# KiCad board ProgrammierStation.kicad_pcb
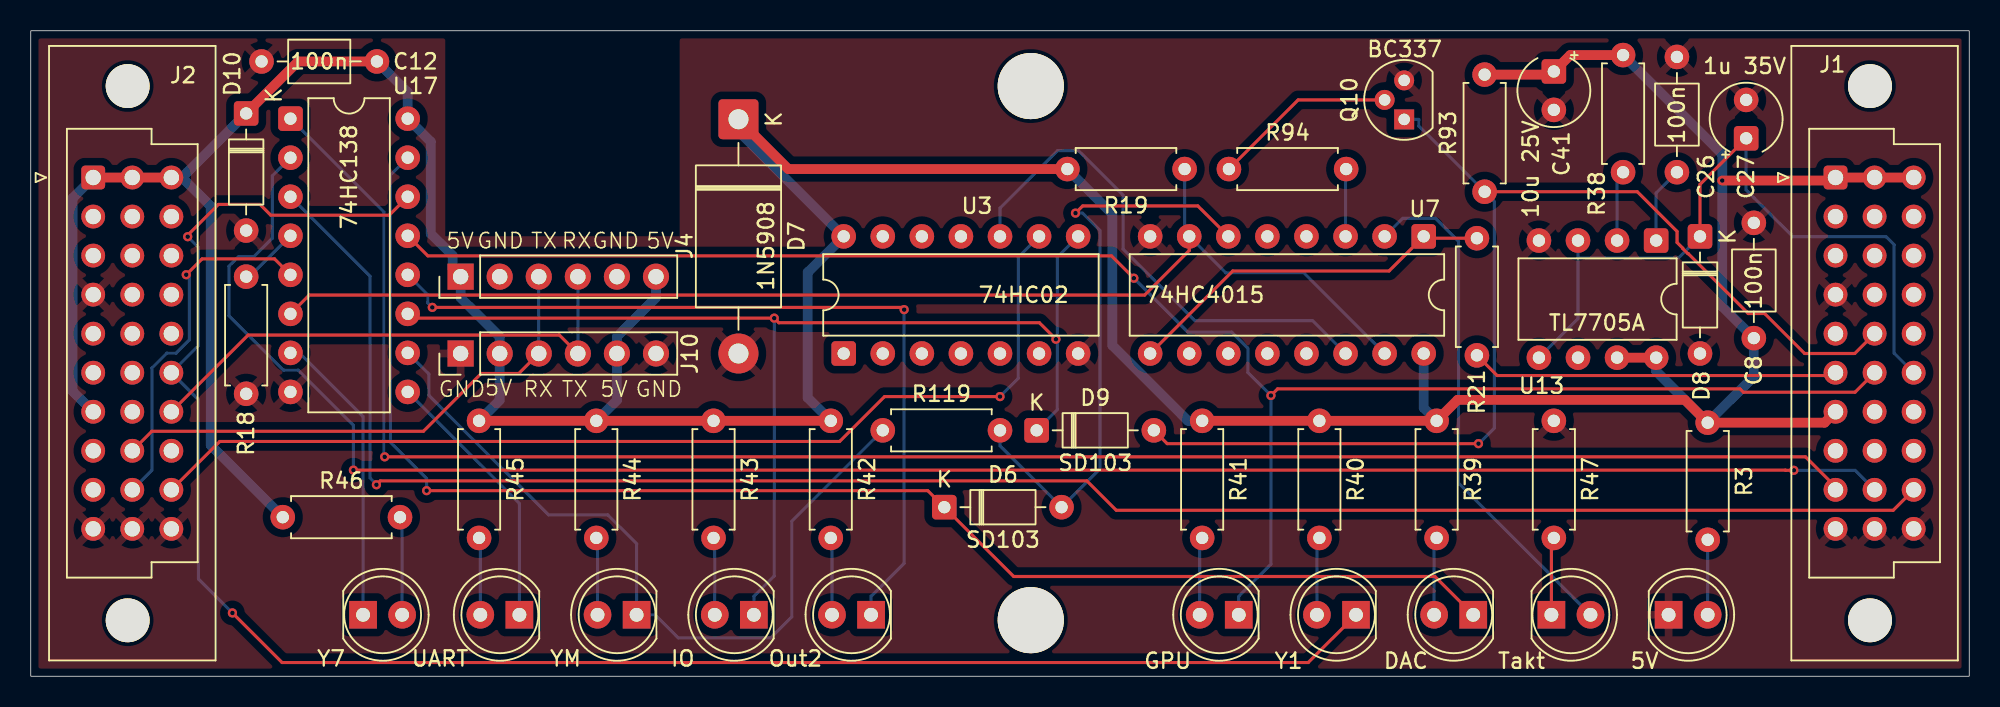
[diagram p0: board, top side]
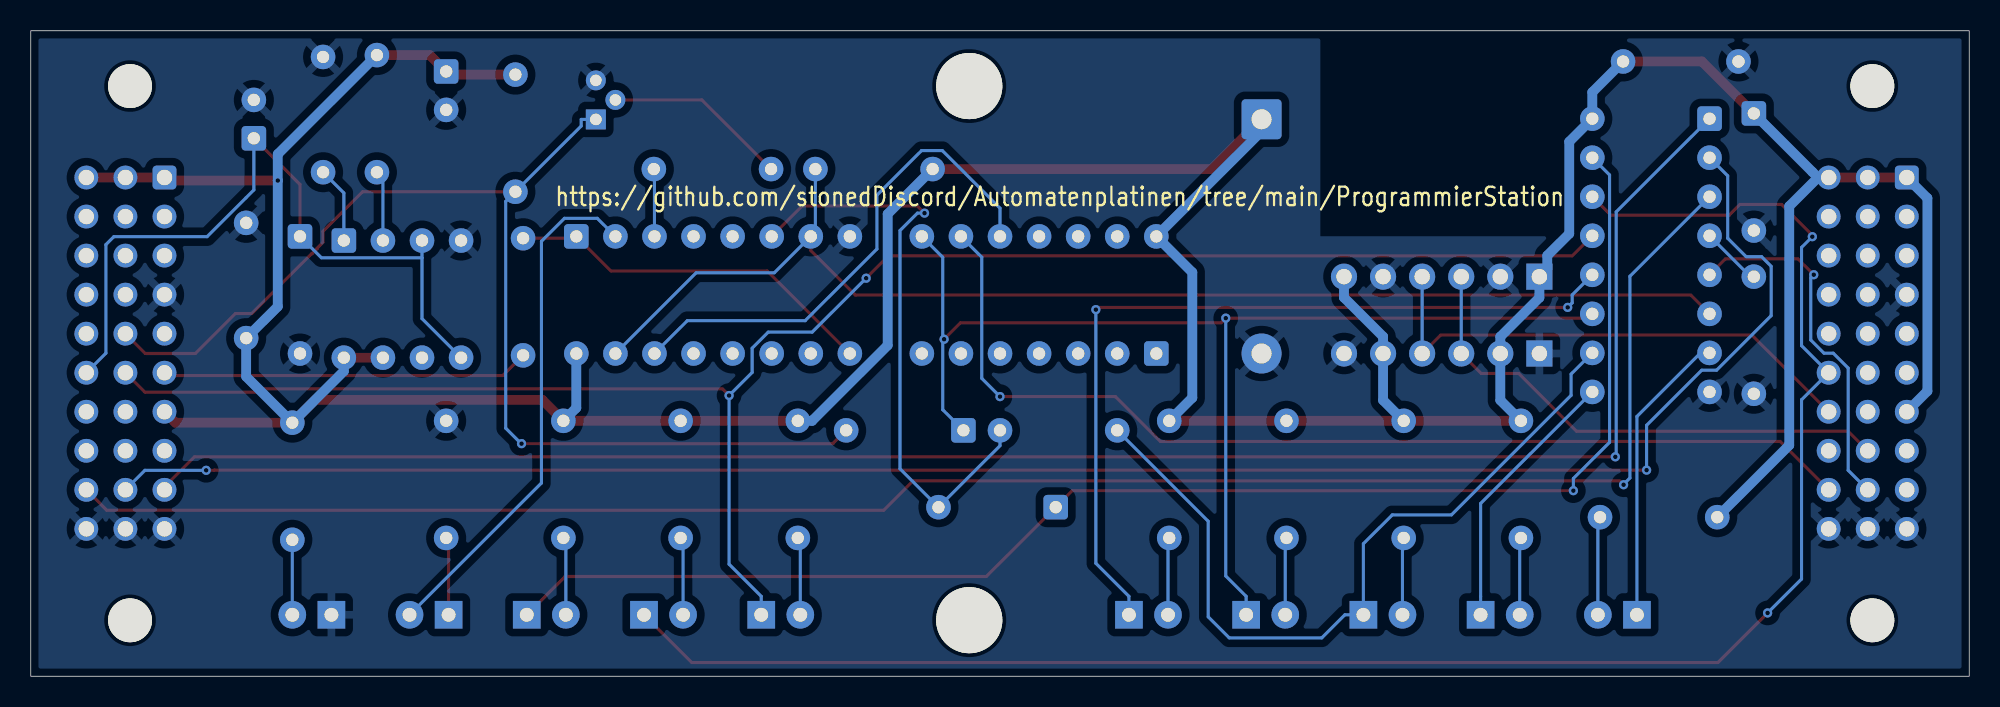
[diagram p1: board, bottom side, seen from below]

Outline 126 x 42 mm; copper layers: Top, Bottom. Coordinates in mm from the lower left corner of the outline.
Outline path: rectangle 0,42 126,0
Stack: Top 0.035mm / dielectric 1.51mm FR4 er 4.5 / Bottom 0.035mm

## Placement (name value [footprint] x y rotation side)
C8  100n  [C_Axial_L3.8mm_D2.6mm_P7.50mm_Horizontal]  112 22 90 top
C12  100n  [C_Axial_L3.8mm_D2.6mm_P7.50mm_Horizontal]  22.5 40 180 top
C26  100n  [C_Axial_L3.8mm_D2.6mm_P7.50mm_Horizontal]  107 32.8 90 top
C27  1u 35V  [CP_Radial_Tantal_D4.5mm_P2.50mm]  111.5 35 90 top
C41  10u 25V  [CP_Radial_Tantal_D4.5mm_P2.50mm]  99 39.35 270 top
D1  UART  [LED_D5.0mm]  31.76 4 180 top
D2  Takt  [LED_D5.0mm]  98.84 4 0 top
D3  5V  [LED_D5.0mm]  106.46 4 0 top
D4  DAC  [LED_D5.0mm]  93.76 4 180 top
D5  Y1  [LED_D5.0mm]  86.14 4 180 top
D6  SD103  [D_DO-35_SOD27_P7.62mm_Horizontal]  59.38 11 0 top  (not fitted)
D7  1N5908  [D_DO-201AE_P15.24mm_Horizontal]  46 36.24 270 top
D8  SD103  [D_DO-35_SOD27_P7.62mm_Horizontal]  108.5 28.62 270 top
D9  SD103  [D_DO-35_SOD27_P7.62mm_Horizontal]  65.38 16 0 top
D10  SD103  [D_DO-35_SOD27_P7.62mm_Horizontal]  14 36.62 270 top
D11  GPU  [LED_D5.0mm]  78.52 4 180 top
D12  Out2  [LED_D5.0mm]  54.62 4 180 top
D13  IO  [LED_D5.0mm]  47 4 180 top
D14  YM  [LED_D5.0mm]  39.38 4 180 top
D15  Y7  [LED_D5.0mm]  21.6 4 0 top
H2  MountingHole  [MountingHole_4.3mm_M4]  65 38.4 180 bottom
H5  MountingHole  [MountingHole_4.3mm_M4]  65 3.65 180 bottom
J1  DIN41612_03x10_ABC  [DIN41612_C3_3x10_Female_Vertical_THT]  117.31 32.45 0 top
J2  DIN41612_03x10_ABC  [DIN41612_C3_3x10_Female_Vertical_THT]  4.06 32.45 0 top
J4  Conn_01x06  [PinHeader_1x06_P2.54mm_Vertical]  27.94 26 90 top
J10  Conn_01x06  [PinHeader_1x06_P2.54mm_Vertical]  27.94 21 90 top
Q10  BC337  [TO-92]  89.27 36.23 90 top
R3  220  [R_Axial_DIN0207_L6.3mm_D2.5mm_P7.62mm_Horizontal]  109 16.5 270 top
R18  100  [R_Axial_DIN0207_L6.3mm_D2.5mm_P7.62mm_Horizontal]  14 26 270 top
R19  100  [R_Axial_DIN0207_L6.3mm_D2.5mm_P7.62mm_Horizontal]  75 33 180 top
R21  47  [R_Axial_DIN0207_L6.3mm_D2.5mm_P7.62mm_Horizontal]  94 28.5 270 top
R38  100  [R_Axial_DIN0207_L6.3mm_D2.5mm_P7.62mm_Horizontal]  103.5 32.8 90 top
R39  470  [R_Axial_DIN0207_L6.3mm_D2.5mm_P7.62mm_Horizontal]  91.38 16.62 270 top
R40  470  [R_Axial_DIN0207_L6.3mm_D2.5mm_P7.62mm_Horizontal]  83.76 16.62 270 top
R41  470  [R_Axial_DIN0207_L6.3mm_D2.5mm_P7.62mm_Horizontal]  76.14 16.62 270 top
R42  470  [R_Axial_DIN0207_L6.3mm_D2.5mm_P7.62mm_Horizontal]  52 16.62 270 top
R43  470  [R_Axial_DIN0207_L6.3mm_D2.5mm_P7.62mm_Horizontal]  44.38 16.62 270 top
R44  470  [R_Axial_DIN0207_L6.3mm_D2.5mm_P7.62mm_Horizontal]  36.76 16.62 270 top
R45  470  [R_Axial_DIN0207_L6.3mm_D2.5mm_P7.62mm_Horizontal]  29.14 16.62 270 top
R46  470  [R_Axial_DIN0207_L6.3mm_D2.5mm_P7.62mm_Horizontal]  16.38 10.35 0 top
R47  470  [R_Axial_DIN0207_L6.3mm_D2.5mm_P7.62mm_Horizontal]  99 16.62 270 top
R93  1k  [R_Axial_DIN0207_L6.3mm_D2.5mm_P7.62mm_Horizontal]  94.5 31.53 90 top
R94  100  [R_Axial_DIN0207_L6.3mm_D2.5mm_P7.62mm_Horizontal]  77.88 33 0 top
R119  1k  [R_Axial_DIN0207_L6.3mm_D2.5mm_P7.62mm_Horizontal]  55.38 16 0 top
U3  74HC02  [DIP-14_W7.62mm]  52.84 21 90 top
U7  74HC4015  [DIP-16_W7.62mm]  90.54 28.62 270 top
U13  TL7705A  [DIP-8_W7.62mm]  105.65 28.35 270 top
U17  74HC138  [DIP-16_W7.62mm]  16.88 36.28 0 top

## Library data of the parts
C8 C12 C26 = -: Description: Unpolarized capacitor; KiLib_Generator: capacitor/THT/other; ki_fp_filters: C_*
C27 C41 = -: Description: Polarized capacitor; KiLib_Generator: capacitor/THT/other; ki_fp_filters: CP_*
D1-D5 D11-D15 = -: Description: Light emitting diode; KiLib_Generator: LED/THT; Sim.Pins: 1=K 2=A; ki_fp_filters: LED* LED_SMD:* LED_THT:*
D6 D8-D10 = -: Description: Schottky diode; KiLib_Generator: diode/THT; ki_fp_filters: TO-???* *_Diode_* *SingleDiode* D_*
D7 = -: Datasheet: https://www.st.com/resource/en/datasheet/1n5908.pdf; Description: 1500W (10/1000 μs) Unidirectional TVS Diode, VRM = 5V (IRM = 300 μA at 25°C), VBR = 6V, DO-201AE; KiLib_Generator: diode/THT; ki_fp_filters: D?DO?201AE*
H2 H5 = -: Description: Mounting Hole without connection; KiLib_Generator: mounting_hardware/mounting_hole; ki_fp_filters: MountingHole*
J1 J2 = -: Description: DIN41612 connector, triple row (ABC), 03x10; KiLib_Generator: connector/IEC_DIN; ki_fp_filters: DIN41612*3x*
J4 J10 = -: Description: Generic connector, single row, 01x06, script generated (kicad-library-utils/schlib/autogen/connector/); KiLib_Generator: connector/pin_header_socket; ki_fp_filters: Connector*:*_1x??_*
Q10 = -: Datasheet: https://diotec.com/tl_files/diotec/files/pdf/datasheets/bc337.pdf; Description: 0.8A Ic, 45V Vce, NPN Transistor, TO-92; Sim.Device: NPN; Sim.Pins: 1=C 2=B 3=E; ki_fp_filters: TO?92*
R3 R18 R19 R21 R38-R47 R93 R94 R119 = -: Description: Resistor; KiLib_Generator: resistor/THT; ki_fp_filters: R_*
U3 = -: Datasheet: http://www.ti.com/lit/gpn/sn74hc02; Description: quad 2-input NOR gate; KiLib_Generator: package/DIP/legacy; ki_fp_filters: SO14* DIP*W7.62mm*
U7 = -: KiLib_Generator: package/DIP/legacy
U13 = -: Datasheet: http://www.ti.com.cn/cn/lit/ds/symlink/tl7705a.pdf; Description: Supply-Voltage Supervisors, 4.55V, PDIP-8/SOIC-8; KiLib_Generator: package/DIP/legacy; ki_fp_filters: SOIC*3.9x4.9mm*P1.27mm* DIP*W7.62mm*
U17 = -: Datasheet: http://www.ti.com/lit/ds/symlink/cd74hc238.pdf; Description: 3-to-8 line decoder/multiplexer inverting, DIP-16/SOIC-16/SSOP-16; KiLib_Generator: package/DIP/legacy; ki_fp_filters: DIP*W7.62mm* SOIC*3.9x9.9mm*P1.27mm* SSOP*5.3x6.2mm*P0.65mm*

## Footprints (pads in the part's own frame, mm; a bottom-side part is the same pattern mirrored in y, then rotated)
C_Axial_L3.8mm_D2.6mm_P7.50mm_Horizontal
  round 1.6 hole 0.8: 1(0,0) 2(7.5,0)
CP_Radial_Tantal_D4.5mm_P2.50mm
  rrect 1.6x1.6 hole 0.8: 1(0,0)
  round 1.6 hole 0.8: 2(2.5,0)
D_DO-35_SOD27_P7.62mm_Horizontal
  rrect 1.6x1.6 hole 0.8: 1(0,0)
  round 1.6 hole 0.8: 2(7.62,0)
D_DO-201AE_P15.24mm_Horizontal
  rrect 2.6x2.6 hole 1.3: 1(0,0)
  round 2.6 hole 1.3: 2(15.24,0)
DIN41612_C3_3x10_Female_Vertical_THT
  round 2.85 hole 2.85 unplated: (2.24,5.95) (2.24,-28.81)
  rrect 1.55x1.55 hole 1: a1(0,0)
  round 1.55 hole 1: a2(0,-2.54) a3(0,-5.08) a4(0,-7.62) a5(0,-10.16) a6(0,-12.7) a7(0,-15.24) a8(0,-17.78) a9(0,-20.32) a10(0,-22.86) b1(2.54,0) b2(2.54,-2.54) b3(2.54,-5.08) b4(2.54,-7.62) b5(2.54,-10.16) b6(2.54,-12.7) b7(2.54,-15.24) b8(2.54,-17.78) b9(2.54,-20.32) b10(2.54,-22.86) c1(5.08,0) c2(5.08,-2.54) c3(5.08,-5.08) c4(5.08,-7.62) c5(5.08,-10.16) c6(5.08,-12.7) c7(5.08,-15.24) c8(5.08,-17.78) c9(5.08,-20.32) c10(5.08,-22.86)
DIP-8_W7.62mm
  rrect 1.6x1.6 hole 0.8: 1(0,0)
  round 1.6 hole 0.8: 2(0,-2.54) 3(0,-5.08) 4(0,-7.62) 5(7.62,-7.62) 6(7.62,-5.08) 7(7.62,-2.54) 8(7.62,0)
DIP-14_W7.62mm
  rrect 1.6x1.6 hole 0.8: 1(0,0)
  round 1.6 hole 0.8: 2(0,-2.54) 3(0,-5.08) 4(0,-7.62) 5(0,-10.16) 6(0,-12.7) 7(0,-15.24) 8(7.62,-15.24) 9(7.62,-12.7) 10(7.62,-10.16) 11(7.62,-7.62) 12(7.62,-5.08) 13(7.62,-2.54) 14(7.62,0)
DIP-16_W7.62mm
  rrect 1.6x1.6 hole 0.8: 1(0,0)
  round 1.6 hole 0.8: 2(0,-2.54) 3(0,-5.08) 4(0,-7.62) 5(0,-10.16) 6(0,-12.7) 7(0,-15.24) 8(0,-17.78) 9(7.62,-17.78) 10(7.62,-15.24) 11(7.62,-12.7) 12(7.62,-10.16) 13(7.62,-7.62) 14(7.62,-5.08) 15(7.62,-2.54) 16(7.62,0)
LED_D5.0mm
  rect 1.8x1.8 hole 0.9: 1(0,0)
  round 1.8 hole 0.9: 2(2.54,0)
MountingHole_4.3mm_M4
  round 4.3 hole 4.3 unplated: (0,0)
PinHeader_1x06_P2.54mm_Vertical
  rect 1.7x1.7 hole 1: 1(0,0)
  round 1.7 hole 1: 2(0,-2.54) 3(0,-5.08) 4(0,-7.62) 5(0,-10.16) 6(0,-12.7)
R_Axial_DIN0207_L6.3mm_D2.5mm_P7.62mm_Horizontal
  round 1.6 hole 0.8: 1(0,0) 2(7.62,0)
TO-92
  rect 1.3x1.3 hole 0.75: 1(0,0)
  round 1.3 hole 0.75: 2(1.27,1.27) 3(2.54,0)

## Nets
+5V: C8.1 C12.1 C41.1 D7.1 D10.1 J1.a1 J1.a7 J1.b1 J1.c1 J2.a1 J2.a7 J2.b1 J2.c1 J4.1 J4.6 J10.2 J10.5 R3.1 R19.2 R38.2 R39.1 R40.1 R41.1 R42.1 R43.1 R44.1 R45.1 R46.1 R93.2 U3.14 U7.16 U13.7 U13.8 U17.16
GND: C8.2 C12.2 C26.2 C27.2 C41.2 D3.1 D7.2 D8.2 D10.2 J1.a4 J1.a10 J1.b10 J1.c10 J2.a4 J2.a10 J2.b10 J2.c10 J4.2 J4.5 J10.1 J10.6 Q10.3 R18.2 R47.1 U3.7 U7.8 U13.4 U17.8
/A5: J1.c8
/BOOTMODE: J2.b5
/cA21: J2.a9
/cA22: J2.b9 U17.5
/cA23: J2.c9 U3.9
/cCLKOUT: J1.a6 R21.2
/cD8: J2.a2
/cD9: J2.b2
/cD10: J2.c2
/cD11: J2.a3
/cD12: J2.b3
/cD13: J2.c3
/cD14: J2.b4
/cD15: J2.c4
/DB_RX: J2.b8 J4.3 J10.3
/DB_TX: J2.c7 J4.4 J10.4
/IP0: J2.a6
/POWER_LED: D3.2 R3.2
/TUERK: J2.b6
A1: J1.b7
A2: J1.c7
A3: J1.a8
A4: J1.b8
A6: J1.a9 U17.1
A7: J1.b9 U17.2
A8: J1.c9 U17.3
CLKOUT: R21.1 U7.1 U7.9
CLOCK_PD: R18.1 U17.4
CLOCK_PU: R19.1 U7.7 U7.15 U17.6
D0: J1.a2
D1: J1.b2
D2: J1.c2
D3: J1.a3
D4: J1.b3
D5: J1.c3
D6: J1.b4
D7: J1.c4
DTACKN: D9.2 J1.b5 Q10.1 R93.1
EnDAC: D4.1 D6.1 U17.15
EnGPU: D11.1 J1.b6 U17.13
EnIO: D9.1 D13.1 U3.8 U17.11
EnOut2: D12.1 U17.12
EnUART: D1.1 U17.9
EnYM: D14.1 R119.1 U17.10
IntACKn: J2.c8
INTRn: J2.a8
LoadU1: U3.10 U7.14
nRESET: J1.c5
nTakt: D2.2 U7.2
R/~{W}: J1.a5
RESET: C27.1 D8.1 J1.c6 U13.3 U13.5
Y1: D5.1 J2.c6 U17.14
Net-(D1-A): D1.2 R45.2
Net-(D2-K): D2.1 R47.2
Net-(D4-A): D4.2 R39.2
Net-(D5-A): D5.2 R40.2
Net-(D6-A): D6.2 R119.2 U7.6
Net-(D11-A): D11.2 R41.2
Net-(D12-A): D12.2 R42.2
Net-(D13-A): D13.2 R43.2
Net-(D14-A): D14.2 R44.2
Net-(D15-A): D15.2 R46.2
Net-(D15-K): D15.1 U17.7
Net-(Q10-B): Q10.2 R94.1
Net-(U7A-Q3): R94.2 U7.3
Net-(U13-REF): C26.1 U13.1
Net-(U13-~{RESIN}): R38.1 U13.2

Pads without a net: J2 a5 b7 c5; U3 1 2 3 4 5 6 11 12 13; U7 4 5 10 11 12 13; U13 6

## Via types
v1: diameter 0.6, hole 0.3, Top to Bottom, 18 vias

## Routing (per net, layer and track width the routed paths; a pad name or vN(x,y) marks a point on that pad's centre or on a via; arc(x,y) is an arc through that point)
+5V: length 297.8
  Top w0.635: 91.09,16.9 91.22,16.77 91.07,16.62 ; C12.1 17.38,40 D10.1 ; D7.1 49.24,33 R19.2 ; R38.2 100.06,40.42 C41.1 98.79,39.14 94.5,39.14 ; J1.c1 J1.b1 J1.a1 117.11,32.25 v1(109.95,32.25) ; J2.c1 J2.b1 J2.a1 ; R42.1 R43.1 R44.1 R45.1 ; R41.1 R40.1 R39.1 92.74,17.98 107.51,17.98 109,16.5 R3.1 116.6,16.5 J1.a7 ; U13.7 U13.8
  Bottom w0.635: R39.1 90.54,17.46 U7.16 ; R41.1 75.21,16.62 70.3,21.53 70.3,30.08 R19.2 ; 9.83,32.45 D10.1 ; 9.83,32.45 11.7,30.58 11.7,15.03 R46.1 ; 9.83,32.45 J2.c1 ; J2.a1 2.72,31.11 2.72,18.55 J2.a7 ; R45.1 30.48,17.96 J10.2 30.48,22.09 27.94,24.63 J4.1 27.43,26.51 27.43,27.37 26,28.8 26,34.78 U17.16 24.5,38 C12.1 ; U13.8 105.65,19.85 R3.1 112,19.5 C8.1 109.95,24.05 v1(109.95,32.25) 109.95,33.97 R38.2 ; D7.1 46,35.46 U3.14 50.5,26.28 50.5,18.12 R42.1 ; R44.1 38.1,17.96 J10.5 38.1,22.1 40.64,24.64 J4.6
/cA22: length 23.6
  Top w0.2: U17.5 15.84,27.16 11.14,27.16 v1(10.11,26.13)
  Bottom w0.2: v1(10.11,26.13) 10.3,25.93 10.3,21.88 9.44,21.02 8.84,21.02 7.87,20.05 7.87,13.4 J2.b9
/cA23: length 67.8
  Top w0.2: J2.c9 12.28,15.28 52.58,15.28 55.5,18.2 v1(63,18.2)
  Bottom w0.2: U3.9 64.19,27.27 64.19,19.38 v1(63,18.2)
/cCLKOUT: length 23.9
  Top w0.2: R21.2 95.31,19.57 117.13,19.57 J1.a6
/DB_RX: length 34
  Top w0.2: J10.3 31.72,19.7 29.28,19.7 25.52,15.94 7.87,15.94 J2.b8
  Bottom w0.2: J4.3 J10.3
/DB_TX: length 34
  Top w0.2: J10.4 34.36,22.2 14.13,22.2 J2.c7
  Bottom w0.2: J10.4 J4.4
/POWER_LED: length 4.9
  Bottom w0.2: D3.2 R3.2
A6: length 119.8
  Top w0.2: J1.a9 117.31,12.33 115.36,14.28 v1(23,14.28)
  Bottom w0.2: v1(23,14.28) 22.95,14.34 22.95,30.21 U17.1
A7: length 125.9
  Top w0.2: v1(20.97,13.41) 114.05,13.41 114.06,13.4 v1(114.6,13.4)
  Bottom w0.2: U17.2 15.7,32.56 15.7,28.5 14.5,27.3 13.5,27.3 12.87,26.67 12.87,23.46 16.42,19.91 17.39,19.91 20.97,16.33 v1(20.97,13.41) ; v1(114.6,13.4) 118.58,13.4 J1.b9
A8: length 122.4
  Top w0.2: v1(22.47,12.46) 22.72,12.71 68.65,12.71 70.56,10.8 121.06,10.8 J1.c9
  Bottom w0.2: v1(22.47,12.46) 22.47,12.49 22.06,12.9 22.06,26.02 U17.3
CLKOUT: length 24.4
  Top w0.2: U7.9 78.13,26.37 88.29,26.37 U7.1 90.66,28.5 R21.1
CLOCK_PD: length 4
  Bottom w0.2: R18.1 14.22,26 U17.4
CLOCK_PU: length 81.4
  Top w0.2: U17.6 18.1,24.8 72.4,24.8 75.3,27.7 U7.7
  Bottom w0.2: R19.1 75,28.92 U7.7 77.67,26.25 82.75,26.25 U7.15
DTACKN: length 76.7
  Top w0.2: v1(94.1,15.13) 73.87,15.13 D9.2 ; R93.1 104.43,31.53 107.01,28.94 107.01,28.23 107.38,27.85 107.38,27.83 107.71,27.5 107.73,27.5 111.63,23.6 112.7,23.6 115.3,21 118.56,21 J1.b5
  Bottom w0.2: v1(94.1,15.13) 94.12,15.13 95.13,16.14 95.13,30.89 R93.1 90.22,35.8 90.22,36.23 Q10.1
EnDAC: length 94.5
  Top w0.2: v1(25.73,12.08) 58.3,12.08 D6.1 63.89,6.49 91.27,6.49 D4.1
  Bottom w0.2: v1(25.73,12.08) 25.73,12.87 23.38,15.22 23.38,32.62 U17.15
EnGPU: length 116.5
  Top w0.2: U17.13 25.81,27.35 70.25,27.35 v1(71.7,25.9) ; J1.b6 118.58,18.48 111.32,18.48 111.1,18.7 81.04,18.7 v1(80.61,18.27)
  Bottom w0.2: D11.1 78.52,5.2 80.61,7.29 v1(80.61,18.27) 79.11,19.77 79.11,21.35 78.07,22.39 75.21,22.39 v1(71.7,25.9)
EnIO: length 76.5
  Top w0.2: v1(66.63,21.93) 65.56,23 48.63,23 v1(48.33,23.3) 24.78,23.3 U17.11
  Bottom w0.2: D9.1 66.72,17.34 66.72,21.93 ; 66.72,21.93 66.72,27.26 U3.8 ; 66.72,21.93 v1(66.63,21.93) ; v1(48.33,23.3) 48.33,6.53 47,5.2 D13.1
EnOut2: length 54.3
  Top w0.2: v1(56.77,23.85) 56.62,24 v1(26.1,24)
  Bottom w0.2: U17.12 25.81,24.81 25.81,24.29 v1(26.1,24) ; D12.1 54.62,5.2 56.77,7.35 v1(56.77,23.85)
EnUART: length 17.5
  Bottom w0.2: U17.9 31.76,11.24 D1.1
EnYM: length 51.3
  Bottom w0.2: R119.1 49.47,10.09 49.47,3.87 48.1,2.5 42.08,2.5 40.58,4 D14.1 39.38,8.62 37.5,10.5 33.66,10.5 25.88,18.28 25.88,19.66 U17.10
LoadU1: length 33.4
  Bottom w0.2: U3.10 63,30.46 66.74,34.2 68.1,34.2 71,31.3 71,27.8 75.66,23.14 83.32,23.14 U7.14
nTakt: length 33.8
  Bottom w0.2: U7.2 89.18,29.8 91.31,29.8 92.81,28.3 92.81,12.57 D2.2
RESET: length 48.1
  Top w0.2: D8.1 108.5,32 C27.1
  Bottom w0.2: D8.1 107.11,27.23 100.57,27.23 ; C27.1 111.5,31.64 114.54,28.6 120.6,28.6 121.12,28.08 121.12,21.02 J1.c6 ; 100.57,27.23 U13.3 ; 100.57,27.23 100.57,23.27 U13.5
Y1: length 118.8
  Top w0.2: v1(10.2,28.6) 10.2,28.7 12.2,30.7 14.9,30.7 15.6,30 23.3,30 U17.14 ; D5.1 83.03,0.89 16.34,0.89 v1(13.11,4.12)
  Bottom w0.2: v1(13.11,4.12) 10.9,6.33 10.9,17.99 J2.c6 10.9,21.51 10.9,27.9 v1(10.2,28.6)
Net-(D1-A): length 5
  Bottom w0.2: D1.2 29.22,8.92 R45.2
Net-(D2-K): length 5.1
  Top w0.2: R47.2 98.84,8.84 D2.1
Net-(D4-A): length 5.1
  Bottom w0.2: D4.2 91.22,8.84 R39.2
Net-(D5-A): length 5.1
  Bottom w0.2: D5.2 83.6,8.84 R40.2
Net-(D6-A): length 38.7
  Top w0.2: U7.6 75.86,30.6 68.37,30.6 v1(67.91,30.13)
  Bottom w0.2: R119.2 63,15 D6.2 69.5,13.5 69.5,29 68.37,30.13 v1(67.91,30.13)
Net-(D11-A): length 5.1
  Bottom w0.2: D11.2 75.98,8.84 R41.2
Net-(D12-A): length 5
  Bottom w0.2: R42.2 52.08,8.92 D12.2
Net-(D13-A): length 5
  Bottom w0.2: D13.2 44.46,8.92 R43.2
Net-(D14-A): length 5
  Bottom w0.2: R44.2 36.84,8.92 D14.2
Net-(D15-A): length 6.4
  Bottom w0.2: R46.2 24.14,10.21 D15.2
Net-(D15-K): length 19.3
  Bottom w0.2: U17.7 17.46,21.04 21.6,16.9 D15.1
Net-(Q10-B): length 12
  Top w0.2: Q10.2 82.38,37.5 R94.1
Net-(U7A-Q3): length 4.4
  Bottom w0.2: U7.3 85.46,32.96 R94.2
Net-(U13-REF): length 5
  Bottom w0.2: C26.1 105.65,31.44 U13.1
Net-(U13-~{RESIN}): length 4.6
  Bottom w0.2: R38.1 103.11,32.41 U13.2

## Copper pours and planes (outline as drawn; the poured copper is in the pictures)
GND on Top, Bottom: -9,57 135,57 135,-17 -9,-17

## Text on the board
B.Silkscreen: https://github.com/stonedDiscord/Automatenplatinen/tree/main/ProgrammierStation
F.Silkscreen: GND | 5V | RX | TX
